# Altium PCB miniBackplane.PcbDoc (part 10 of 24) (continued)
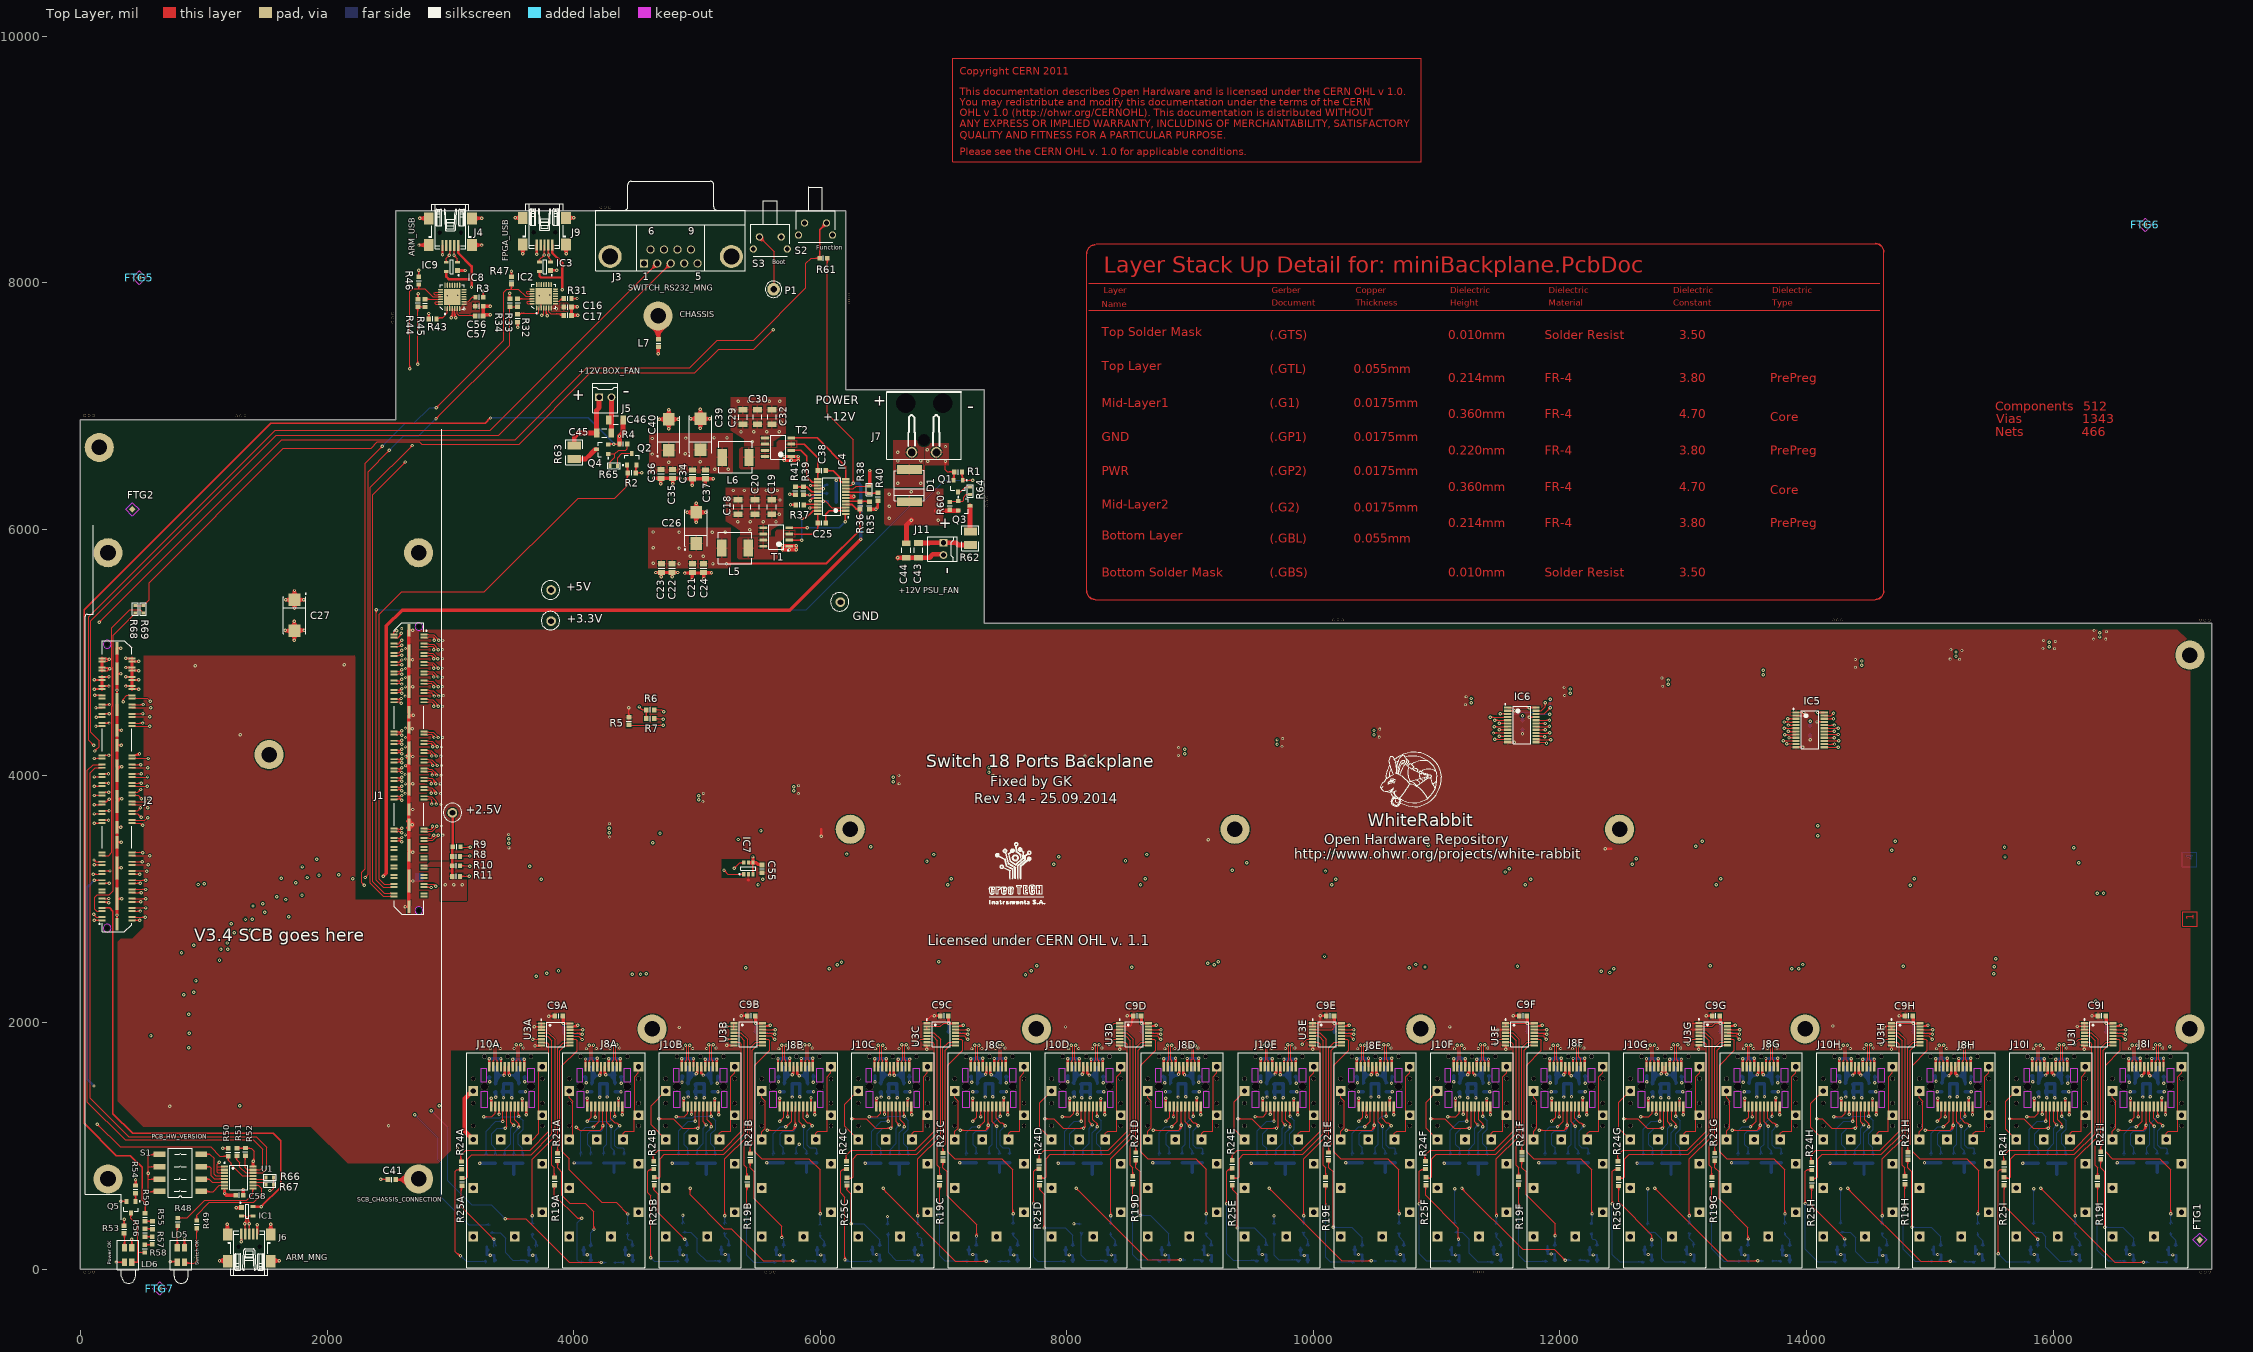
[diagram p0: Top Layer view]
## Nets (pads, with @x,y where several pads share a name; then routed paths per layer and width w, separated by ;. In a path a pad name is that pad's centre, name@x,y a point inside that pad or via, vN(x,y) a via of type N, cw(c..) or ccw(c..) an arc to the next point about the centre after c; other vN are vias at no path point) (continued)
ccw(c16266.43,1955.72) 16254.55,1955.72 ; 16254.55,1979.48 ccw(c16266.43,1979.48) 16258.03,1971.08 cw(c16266.43,1979.48) 16254.55,1979.48 ; 16254.55,1979.48 cw(c16242.67,1979.48) 16251.07,1971.08 ccw(c16242.67,1979.48) 16254.55,1979.48 ; 16254.55,1981.31 ccw(c16242.67,1981.31) 16251.07,1989.71 cw(c16242.67,1981.31) 16254.55,1981.31 ; 16254.55,1981.31 cw(c16266.43,1981.31) 16258.03,1989.71 ccw(c16266.43,1981.31) 16254.55,1981.31 ; J2.95@187.01,4953.79 cw(c187.01,4899.61) 225.32,4937.92 ccw(c187.01,4899.61) J2.95@187.01,4953.79 ; J2.91@191.42,4878.79 cw(c191.42,4825.28) 229.26,4863.12 ccw(c191.42,4825.28) J2.91@191.42,4878.79 ; 206.02,4953.79 cw(c206.02,4918.62) 230.89,4943.49 ccw(c206.02,4918.62) 206.02,4953.79 ; 210.43,4878.79 cw(c210.43,4844.29) 234.83,4868.69 ccw(c210.43,4844.29) 210.43,4878.79 ; 568.9,629 ccw(c568.9,676.14) 602.23,642.81 cw(c568.9,676.14) 568.9,629 ; 568.9,729 ccw(c568.9,776.14) 602.23,742.81 cw(c568.9,776.14) 568.9,729 ; 568.9,829 ccw(c568.9,876.14) 602.23,842.81 cw(c568.9,876.14) 568.9,829 ; 568.9,929 ccw(c568.9,976.14) 602.23,942.81 cw(c568.9,976.14) 568.9,929 ; 573.73,629 cw(c573.73,588.69) 602.23,617.19 ccw(c573.73,588.69) 573.73,629 ; 573.73,729 cw(c573.73,688.69) 602.23,717.19 ccw(c573.73,688.69) 573.73,729 ; 573.73,829 cw(c573.73,788.69) 602.23,817.19 ccw(c573.73,788.69) 573.73,829 ; 573.73,929 cw(c573.73,888.69) 602.23,917.19 ccw(c573.73,888.69) 573.73,929 ; 587.91,629 ccw(c587.91,657.13) 607.8,637.24 cw(c587.91,657.13) 587.91,629 ; 587.91,729 ccw(c587.91,757.13) 607.8,737.24 cw(c587.91,757.13) 587.91,729 ; 587.91,829 ccw(c587.91,857.13) 607.8,837.24 cw(c587.91,857.13) 587.91,829 ; 587.91,929 ccw(c587.91,957.13) 607.8,937.24 cw(c587.91,957.13) 587.91,929 ; 592.74,629 cw(c592.74,607.7) 607.8,622.76 ccw(c592.74,607.7) 592.74,629 ; 592.74,729 cw(c592.74,707.7) 607.8,722.76 ccw(c592.74,707.7) 592.74,729 ; 592.74,829 cw(c592.74,807.7) 607.8,822.76 ccw(c592.74,807.7) 592.74,829 ; 592.74,929 cw(c592.74,907.7) 607.8,922.76 ccw(c592.74,907.7) 592.74,929 ; v1@837.04,237.04 cw(c818.96,218.96) 844.53,218.96 ccw(c818.96,218.96) v1@837.04,237.04 ; 844.53,221.51 cw(c866.49,221.51) 850.96,237.04 ccw(c866.49,221.51) 844.53,221.51 ; v1@2441.96,722.04 cw(c2453.93,710.07) 2453.93,727 ccw(c2453.93,710.07) v1@2441.96,722.04 ; v1@2441.96,735.96 ccw(c2463.59,757.59) 2463.59,727 cw(c2463.59,757.59) v1@2441.96,735.96 ; 2456.41,727 cw(c2456.41,687.89) 2484.06,715.54 ccw(c2456.41,687.89) 2456.41,727 ; 2461.31,727 ccw(c2461.31,759.17) 2484.06,736.42 cw(c2461.31,759.17) 2461.31,727 ; 2475.42,727 cw(c2475.42,706.9) 2489.63,721.11 ccw(c2475.42,706.9) 2475.42,727 ; R44.2@2727.22,7876.24 ccw(c2698.8,7904.67) 2739,7904.67 cw(c2698.8,7904.67) R44.2@2727.22,7876.24 ; R44.2@2732.79,7870.67 ccw(c2717.81,7885.66) 2739,7885.66 cw(c2717.81,7885.66) R44.2@2732.79,7870.67 ; 2739,7894.86 ccw(c2765.33,7894.86) 2746.71,7876.24 cw(c2765.33,7894.86) 2739,7894.86 ; R34.2@3471.74,7878.89 ccw(c3449.37,7901.25) 3481,7901.25 cw(c3449.37,7901.25) R34.2@3471.74,7878.89 ; v1@3481,7903.57 ccw(c3515.91,7903.57) 3491.22,7878.89 cw(c3515.91,7903.57) v1@3481,7903.57 ; R2.2@4493.95,6469.13 ccw(c4457.14,6505.94) 4509.2,6505.94 cw(c4457.14,6505.94) R2.2@4493.95,6469.13 ; R2.2@4499.52,6463.56 ccw(c4476.15,6486.93) 4509.2,6486.93 cw(c4476.15,6486.93) R2.2@4499.52,6463.56 ; Q2.3@4501.05,6508.47 cw(c4481.38,6488.8) 4509.2,6488.8 ccw(c4481.38,6488.8) Q2.3@4501.05,6508.47 ; 4509.2,6479.36 ccw(c4523.67,6479.36) 4513.44,6469.13 cw(c4523.67,6479.36) 4509.2,6479.36 ; 4509.2,6487.81 cw(c4538.41,6487.81) 4517.75,6508.47 ccw(c4538.41,6487.81) 4509.2,6487.81 ; IC4.7@6224.22,6278.73 cw(c6224.22,6217.9) 6267.24,6260.91 ccw(c6224.22,6217.9) IC4.7@6224.22,6278.73 ; 6243.23,6278.73 cw(c6243.23,6236.91) 6272.8,6266.48 ccw(c6243.23,6236.91) 6243.23,6278.73 ; 6262.24,6278.73 cw(c6262.24,6255.92) 6278.37,6272.05 ccw(c6262.24,6255.92) 6262.24,6278.73 ; 7048.12,6468.5 cw(c7048.12,6426.58) 7077.76,6456.22 ccw(c7048.12,6426.58) 7048.12,6468.5 ; 7060.36,6468.5 ccw(c7060.36,6493.11) 7077.76,6475.71 cw(c7060.36,6493.11) 7060.36,6468.5 ; 7067.13,6468.5 cw(c7067.13,6445.59) 7083.33,6461.79 ccw(c7067.13,6445.59) 7067.13,6468.5 ; R1.2@7077.76,6452.29 cw(c7068.49,6443.02) 7081.6,6443.02 ccw(c7068.49,6443.02) R1.2@7077.76,6452.29 ; Q1.3@7081.6,6414.51 cw(c7135.03,6414.51) 7097.25,6452.29 ccw(c7135.03,6414.51) Q1.3@7081.6,6414.51 ; 7081.6,6433.52 cw(c7116.02,6433.52) 7091.68,6457.86 ccw(c7116.02,6433.52) 7081.6,6433.52 ; 8527.97,1988.84 cw(c8603.43,1988.84) 8550.07,2042.2 ccw(c8603.43,1988.84) 8527.97,1988.84 ; 8527.97,2007.85 cw(c8584.42,2007.85) 8544.5,2047.77 ccw(c8584.42,2007.85) 8527.97,2007.85 ; 8527.97,2026.86 cw(c8565.41,2026.86) 8538.93,2053.33 ccw(c8565.41,2026.86) 8527.97,2026.86 ; U3E.1@10018.15,1989.71 cw(c10032.27,1975.59) 10032.27,1995.56 ccw(c10032.27,1975.59) U3E.1@10018.15,1989.71 ; v1@11503,1933.99 cw(c11522.35,1914.64) 11522.35,1942.01 ccw(c11522.35,1914.64) v1@11503,1933.99 ; v1@11503,1947.91 ccw(c11517.25,1962.17) 11517.25,1942.01 cw(c11517.25,1962.17) v1@11503,1947.91 ; 13089.23,1940.95 ccw(c13089.23,1962.91) 13104.76,1947.39 cw(c13089.23,1962.91) 13089.23,1940.95 ; 13091.78,1993.19 ccw(c13091.78,2011.55) 13104.76,1998.57 cw(c13091.78,2011.55) 13091.78,1993.19
  Top Layer w15.75: v1@5920.7,6176.37 IC4.22@5979.65,6176.37 ; v1(5921.57,6355.5) IC4.15@5979.65,6355.5 ; IC4.6@6208,6253.14 6259.46,6253.14 v1(6274.2,6267.87) ; 6247.07,6258.8 cw(c6263.94,6229.59) v1@6272.67,6262.17 ; 6264.51,6251.3 ccw(c6259.1,6260.68) v1@6268.87,6265.33 ; IC6.12@11577.4,4272.17 v1(11630.83,4272.17) ; IC5.12@13914.92,4232.8 v1(13968.35,4232.8) ; 5935.82,6355.5 ccw(c5935.82,6341.25) 5925.74,6351.33 cw(c5935.82,6341.25) 5935.82,6355.5 ; 5935.82,6355.5 cw(c5935.82,6369.76) 5925.74,6359.68 ccw(c5935.82,6369.76) 5935.82,6355.5 ; 6264.12,6257.79 ccw(c6254.03,6267.87) 6268.29,6267.87 cw(c6254.03,6267.87) 6264.12,6257.79 ; 6264.12,6257.79 cw(c6274.2,6247.71) 6274.2,6261.97 ccw(c6274.2,6247.71) 6264.12,6257.79 ; 11616.57,4272.17 ccw(c11616.57,4286.42) 11626.65,4276.34 cw(c11616.57,4286.42) 11616.57,4272.17 ; 11616.57,4272.17 cw(c11616.57,4257.91) 11626.65,4267.99 ccw(c11616.57,4257.91) 11616.57,4272.17 ; 13954.09,4232.8 ccw(c13954.09,4247.05) 13964.17,4236.97 cw(c13954.09,4247.05) 13954.09,4232.8 ; 13954.09,4232.8 cw(c13954.09,4218.54) 13964.17,4228.62 ccw(c13954.09,4218.54) 13954.09,4232.8 ; v1@5918.37,6168.7 cw(c5936.89,6150.18) 5936.89,6176.37 ccw(c5936.89,6150.18) v1@5918.37,6168.7 ; IC4.6@6224.37,6253.14 ccw(c6224.37,6317.7) 6270.02,6272.05 cw(c6224.37,6317.7) IC4.6@6224.37,6253.14 ; 6262.39,6253.14 ccw(c6262.39,6279.68) 6281.16,6260.91 cw(c6262.39,6279.68) 6262.39,6253.14
  Top Layer w19.68: J2.102@295.94,3794.2 ccw(c293.09,3810.83) J2.102@306.86,3801.09 ; J2.97@296.44,2796.29 v1(296.44,2868.91) ; J2.98@296.44,3003.79 v1(334.5,3003.79) ; J2.99@296.44,3253.79 v1(332.53,3253.79) ; J2.100@296.44,3461.29 v1(330.05,3461.29) ; J2.101@296.44,3583.79 v1(327.89,3583.79) v1@330.71,3586.61 ; J2.102@296.44,3791.29 J2.102@296.44,3813.8 ; J2.102@296.44,3814.96 v1(334.65,3814.96) ; J2.103@296.44,4041.29 296.44,4072.03 299.21,4074.8 v1(334.65,4074.8) ; J2.104@296.44,4248.79 v1(331.47,4248.79) v1@334.65,4251.97 ; J2.105@296.44,4371.29 v1(333.43,4371.29) ; J2.106@296.44,4578.79 v1(296.44,4695.68) ; J2.107@296.44,4828.79 v1(328.69,4828.79) ; J2.108@296.44,5036.29 v1(325.91,5036.29) ; J6.5@1433.33,287.39 v1(1433.33,360.38) ; v1@2629.92,2937.01 v1(2632.91,2939.99) J1.108@2664.55,2939.99 ; J1.107@2664.55,3147.49 v1(2694.74,3147.49) ; J1.106@2664.55,3382.69 J1.106@2664.55,3397.49 ; J1.106@2664.56,3394.54 cw(c2664.64,3377.67) J1.106@2676.51,3389.65 ; J1.105@2664.55,3604.99 v1(2691.61,3604.99) ; J1.104@2664.55,3727.49 v1(2696,3727.49) ; J1.103@2664.55,3934.99 v1(2694.83,3934.99) ; J1.102@2664.55,4158.28 J1.102@2664.55,4184.99 ; J1.101@2664.55,4382.69 J1.101@2664.55,4392.49 ; J1.100@2664.55,4492.93 J1.100@2664.55,4514.99 ; J1.99@2664.55,4722.49 v1(2694.93,4722.49) ; J1.98@2664.55,4972.49 2664.55,4941.75 v1(2693.72,4941.75) v1@2696.85,4944.88 ; J1.97@2664.55,5179.99 v1(2694.02,5179.99) v1@2696.85,5177.17 ; J1.101@2665.01,4389.57 cw(c2667.62,4372.91) 2677.56,4386.54 ; J1.100@2664.99,4480.51 ccw(c2667.47,4497.19) 2677.51,4483.64 ; J1.106@2665.35,3381.89 v1(2696.85,3381.89) ; J1.102@2665.35,4157.48 v1(2696.85,4157.48) ; J1.101@2665.35,4381.89 v1(2692.91,4381.89) ; J1.100@2665.35,4492.13 v1(2700.79,4492.13) ; v1(2937.01,8227.99) J4.5@2937.01,8301.92 ; J10A.20@3316.46,1641.22 v1(3316.46,1705.17) ; J10A.1@3332.2,1318.39 v1(3332.2,1384.5) ; J10A.17@3410.94,1641.22 v1(3410.94,1705.68) ; J10A.14@3505.43,1641.22 v1(3505.43,1701.2) ; J10A.9@3584.17,1318.39 v1(3584.17,1381.46) ; J10A.11@3599.92,1641.22 v1(3599.92,1701.71) ; v1(3615.67,1250.96) J10A.10@3615.67,1318.39 ; v1(3687.01,1812.01) 3687.01,1811.02 U3A.8@3722.44,1811.02 ; v1(3700.87,8232.06) J9.5@3700.87,8305.92 ; v1(3799.67,2051.96) C9A.2@3848.17,2051.96 ; IC3.1@3813.94,8100.33 v1(3863.19,8100.33) ; J8A.20@4096.46,1641.22 v1(4096.46,1703.75) ; J8A.1@4112.2,1318.39 v1(4112.2,1384.43) ; J8A.17@4190.94,1641.22 v1(4190.94,1708.24) ; J8A.14@4285.43,1641.22 v1(4285.43,1706.2) ; J8A.9@4364.17,1318.39 v1(4364.17,1386.46) ; J8A.11@4379.92,1641.22 v1(4379.92,1706.71) ; v1(4395.67,1250.96) J8A.10@4395.67,1318.39 ; v1@4661.14,5645.95 v1(4665.08,5649.89) ; C22.2@4791.44,5642.08 cw(c4770.89,5620.65) v1@4800.58,5620.65 ; v1@4795.7,5616.69 ccw(c4782.3,5625.95) C22.2@4798.03,5630.16 ; 4797.11,5628.42 cw(c4781.84,5624.33) v1@4795.53,5616.43 ; v1@4797.3,5620.65 cw(c4826.98,5620.65) C22.2@4806.43,5642.08 ; v1@4797.3,5627.71 ccw(c4776.76,5627.71) C22.2@4791.28,5642.23 ; v1(4798.94,5614.46) C22.2@4798.94,5649.89 ; C22.2@4799.85,5630.16 ccw(c4815.57,5625.95) v1@4802.18,5616.69 ; v1@4800.58,5627.71 cw(c4821.12,5627.71) C22.2@4806.59,5642.23 ; 4800.77,5628.42 ccw(c4816.04,5624.33) v1@4802.35,5616.43 ; J10B.20@4877.91,1642.87 v1(4877.91,1706.83) ; J10B.1@4893.66,1320.04 v1(4893.66,1386.15) ; J10B.17@4972.4,1642.87 v1(4972.4,1707.34) ; J10B.14@5066.89,1642.87 v1(5066.89,1702.85) ; J10B.9@5145.63,1320.04 v1(5145.63,1383.12) ; J10B.11@5161.38,1642.87 v1(5161.38,1703.36) ; v1(5177.13,1252.61) J10B.10@5177.13,1320.04 ; v1(5241.14,1813.98) 5242.06,1813.06 U3B.8@5299.98,1813.06 ; v1(5361.13,2053.61) C9B.2@5409.63,2053.61 ; J8B.20@5657.91,1642.87 v1(5657.91,1705.4) ; J8B.1@5673.66,1320.04 v1(5673.66,1386.08) ; J8B.17@5752.4,1642.87 v1(5752.4,1709.89) ; v1(5754.2,6282.87) R41.2@5797.7,6282.87 ; v1(5759.2,6197.87) R37.2@5802.7,6197.87 ; J8B.14@5846.89,1642.87 v1(5846.89,1707.85) ; v1@5919.2,6357.87 v1(5921.57,6355.5) ; J8B.9@5925.63,1320.04 v1(5925.63,1388.12) ; J8B.11@5941.38,1642.87 v1(5941.38,1708.36) ; v1(5957.13,1252.61) J8B.10@5957.13,1320.04 ; v1(6009.04,3510.78) 6009.04,3565.9 ; J10C.20@6440.41,1641.22 6440.41,1704.33 v1(6442.91,1706.83) ; v1(6452.7,6161.38) 6468.23,6176.91 R40.1@6468.23,6228.63 ; J10C.1@6456.16,1318.39 v1@6456.16,1383.66 ; v1@6456.5,6162.4 cw(c6478.23,6168.22) 6458.75,6179.46 ; J10C.17@6534.9,1641.22 6534.9,1704.85 v1(6537.4,1707.35) ; J10C.14@6629.39,1641.22 6629.39,1700.36 v1(6631.89,1702.86) ; J10C.9@6708.13,1318.39 6708.13,1380.63 v1(6710.63,1383.13) ; J10C.11@6723.88,1641.22 6723.88,1700.87 v1(6726.38,1703.37) ; J10C.10@6739.63,1318.39 6739.63,1255.12 v1(6742.13,1252.62) ; v1(6864.98,1782.48) 6864.98,1803.62 ; v1(6926.13,2053.62) C9C.2@6974.63,2053.62 ; J8C.20@7222.91,1642.88 v1(7222.91,1705.41) ; J8C.1@7238.66,1320.05 v1(7238.66,1386.09) ; J8C.17@7317.4,1642.88 v1(7317.4,1709.9) ; J8C.14@7411.89,1642.88 v1(7411.89,1707.86) ; J8C.9@7490.63,1320.05 v1(7490.63,1388.13) ; J8C.11@7506.38,1642.88 v1(7506.38,1708.37) ; v1(7522.13,1252.62) J8C.10@7522.13,1320.05 ; J10D.20@8007.91,1642.88 v1(8007.91,1706.83) ; J10D.1@8023.66,1320.05 v1(8023.66,1386.16) ; J10D.17@8102.4,1642.88 v1(8102.4,1707.35) ; J10D.14@8196.89,1642.88 v1(8196.89,1702.86) ; J10D.9@8275.63,1320.05 v1(8275.63,1383.13) ; J10D.11@8291.38,1642.88 v1(8291.38,1703.37) ; v1(8307.13,1252.62) J10D.10@8307.13,1320.05 ; v1(8429.98,1782.48) 8429.98,1803.62 ; v1(8491.13,2053.62) C9D.2@8539.63,2053.62 ; J8D.20@8787.91,1642.88 v1(8787.91,1705.41) ; J8D.1@8803.66,1320.05 v1(8803.66,1386.09) ; J8D.17@8882.4,1642.88 v1(8882.4,1709.9) ; J8D.14@8976.89,1642.88 v1(8976.89,1707.86) ; J8D.9@9055.63,1320.05 v1(9055.63,1388.13) ; J8D.11@9071.38,1642.88 v1(9071.38,1708.37) ; v1(9087.13,1252.62) J8D.10@9087.13,1320.05 ; J10E.20@9572.91,1642.88 v1(9572.91,1706.83) ; J10E.1@9588.66,1320.05 v1(9588.66,1386.16) ; J10E.17@9667.4,1642.88 v1(9667.4,1707.35) ; J10E.14@9761.89,1642.88 v1(9761.89,1702.86) ; J10E.9@9840.63,1320.05 v1(9840.63,1383.13) ; J10E.11@9856.38,1642.88 v1(9856.38,1703.37) ; v1(9872.13,1252.62) J10E.10@9872.13,1320.05 ; v1(9994.98,1782.48) 9994.98,1803.62 ; v1(10056.13,2053.62) C9E.2@10104.63,2053.62 ; J8E.20@10352.91,1642.88 v1(10352.91,1705.41) ; J8E.1@10368.66,1320.05 v1(10368.66,1386.09) ; J8E.17@10447.4,1642.88 v1(10447.4,1709.9) ; J8E.14@10541.89,1642.88 v1(10541.89,1707.86) ; J8E.9@10620.63,1320.05 v1(10620.63,1388.13) ; J8E.11@10636.38,1642.88 v1(10636.38,1708.37) ; v1(10652.13,1252.62) J8E.10@10652.13,1320.05 ; J10F.20@11137.48,1642.88 v1(11137.48,1706.83) ; J10F.1@11153.23,1320.05 v1(11153.23,1386.16) ; J10F.17@11231.97,1642.88 v1(11231.97,1707.35) ; J10F.14@11326.46,1642.88 v1(11326.46,1702.86) ; J10F.9@11405.2,1320.05 v1(11405.2,1383.13) ; J10F.11@11420.94,1642.88 v1(11420.94,1703.37) ; v1(11436.69,1252.62) J10F.10@11436.69,1320.05 ; v1(11559.55,1782.48) 11559.55,1803.62 ; v1(11620.69,2053.62) C9F.2@11669.2,2053.62 ; J8F.20@11917.48,1642.88 v1(11917.48,1705.41) ; J8F.1@11933.23,1320.05 v1(11933.23,1386.09) ; J8F.17@12011.97,1642.88 v1(12011.97,1709.9) ; J8F.14@12106.46,1642.88 v1(12106.46,1707.86) ; J8F.9@12185.2,1320.05 v1(12185.2,1388.13) ; J8F.11@12200.94,1642.88 v1(12200.94,1708.37) ; v1(12216.69,1252.62) J8F.10@12216.69,1320.05 ; v1(12367.31,3408.42) 12418.49,3408.42 ; J10G.20@12702.48,1642.88 v1(12702.48,1706.83) ; J10G.1@12718.23,1320.05 v1(12718.23,1386.16) ; J10G.17@12796.97,1642.88 v1(12796.97,1707.35) ; J10G.14@12891.46,1642.88 v1(12891.46,1702.86) ; J10G.9@12970.2,1320.05 v1(12970.2,1383.13) ; J10G.11@12985.94,1642.88 v1(12985.94,1703.37) ; v1(13001.69,1252.62) J10G.10@13001.69,1320.05 ; v1(13124.55,1782.48) 13124.55,1803.62 ; v1(13185.69,2053.62) C9G.2@13234.2,2053.62 ; J8G.20@13482.48,1642.88 v1(13482.48,1705.41) ; J8G.1@13498.23,1320.05 v1(13498.23,1386.09) ; J8G.17@13576.97,1642.88 v1(13576.97,1709.9) ; J8G.14@13671.46,1642.88 v1(13671.46,1707.86) ; J8G.9@13750.2,1320.05 v1(13750.2,1388.13) ; J8G.11@13765.94,1642.88 v1(13765.94,1708.37) ; v1(13781.69,1252.62) J8G.10@13781.69,1320.05 ; J10H.20@14267.48,1642.88 v1(14267.48,1706.83) ; J10H.1@14283.23,1320.05 v1(14283.23,1386.16) ; J10H.17@14361.97,1642.88 v1(14361.97,1707.35) ; J10H.14@14456.46,1642.88 v1(14456.46,1702.86) ; J10H.9@14535.2,1320.05 v1(14535.2,1383.13) ; J10H.11@14550.94,1642.88 v1(14550.94,1703.37) ; v1(14566.69,1252.62) J10H.10@14566.69,1320.05 ; v1(14689.55,1782.48) 14689.55,1803.62 ; v1(14750.69,2053.62) C9H.2@14799.2,2053.62 ; J8H.20@15047.48,1642.88 v1(15047.48,1705.41) ; J8H.1@15063.23,1320.05 v1(15063.23,1386.09) ; J8H.17@15141.97,1642.88 v1(15141.97,1709.9) ; J8H.14@15236.46,1642.88 v1(15236.46,1707.86) ; J8H.9@15315.2,1320.05 v1(15315.2,1388.13) ; J8H.11@15330.94,1642.88 v1(15330.94,1708.37) ; v1(15346.69,1252.62) J8H.10@15346.69,1320.05 ; J10I.20@15832.48,1642.88 v1(15832.48,1706.83) ; J10I.1@15848.23,1320.05 v1(15848.23,1386.16) ; J10I.17@15926.97,1642.88 v1(15926.97,1707.35) ; J10I.14@16021.46,1642.88 v1(16021.46,1702.86) ; J10I.9@16100.2,1320.05 v1(16100.2,1383.13) ; J10I.11@16115.94,1642.88 v1(16115.94,1703.37) ; v1(16131.69,1252.62) J10I.10@16131.69,1320.05 ; v1(16254.55,1782.48) 16254.55,1803.62 ; v1(16315.69,2053.62) C9I.2@16364.2,2053.62 ; J8I.20@16612.48,1642.88 v1(16612.48,1705.41) ; J8I.1@16628.23,1320.05 v1(16628.23,1386.09) ; J8I.17@16706.97,1642.88 v1(16706.97,1709.9) ; J8I.14@16801.46,1642.88 v1(16801.46,1707.86) ; J8I.9@16880.2,1320.05 v1(16880.2,1388.13) ; J8I.11@16895.94,1642.88 v1(16895.94,1708.37) ; v1(16911.69,1252.62) J8I.10@16911.69,1320.05 ; v1(334.65,3814.96) ccw(c334.64,3777.19) 299.21,3790.27 cw(c334.64,3777.19) v1(334.65,3814.96) ; v1(334.65,4074.8) ccw(c334.64,4039.51) 299.39,4041.15 cw(c334.64,4039.51) v1(334.65,4074.8) ; v1(2692.91,4381.89) cw(c2692.91,4415.38) 2666.85,4394.35 ccw(c2692.91,4415.38) v1(2692.91,4381.89) ; v1(2696.85,3381.89) cw(c2696.85,3416.32) 2667.1,3398.98 ccw(c2696.85,3416.32) v1(2696.85,3381.89) ; v1(2696.85,4157.48) cw(c2696.85,4186.88) 2667.5,4185.16 ccw(c2696.85,4186.88) v1(2696.85,4157.48) ; v1(2700.79,4492.13) ccw(c2700.79,4448.8) 2666.86,4475.75 cw(c2700.79,4448.8) v1(2700.79,4492.13) ; 3826.79,2051.96 ccw(c3826.79,2073.35) 3841.91,2058.22 cw(c3826.79,2073.35) 3826.79,2051.96 ; 3826.79,2051.96 cw(c3826.79,2030.57) 3841.91,2045.7 ccw(c3826.79,2030.57) 3826.79,2051.96 ; 3837.7,8100.33 ccw(c3837.7,8076.57) 3820.9,8093.37 cw(c3837.7,8076.57) 3837.7,8100.33 ; 3837.7,8100.33 cw(c3837.7,8124.09) 3820.9,8107.29 ccw(c3837.7,8124.09) 3837.7,8100.33 ; C22.2@4791.28,5642.23 cw(c4772.8,5623.75) v1@4798.94,5623.75 ; C22.2@4791.28,5642.23 cw(c4772.8,5623.75) v1@4798.94,5623.75 ; v1@4795.53,5616.43 ccw(c4780.18,5625.28) C22.2@4797.3,5629.87 ; v1@4795.53,5616.43 ccw(c4780.18,5625.28) C22.2@4797.3,5629.87 ; v1@4795.53,5616.43 ccw(c4780.18,5625.28) C22.2@4797.3,5629.87 ; v1@4798.94,5623.75 cw(c4825.08,5623.75) C22.2@4806.59,5642.23 ; v1@4798.94,5623.75 cw(c4825.08,5623.75) C22.2@4806.59,5642.23 ; C22.2@4800.58,5629.87 ccw(c4817.69,5625.28) v1@4802.35,5616.43 ; C22.2@4800.58,5629.87 ccw(c4817.69,5625.28) v1@4802.35,5616.43 ; C22.2@4800.58,5629.87 ccw(c4817.69,5625.28) v1@4802.35,5616.43 ; 5388.24,2053.61 ccw(c5388.24,2075) 5403.37,2059.88 cw(c5388.24,2075) 5388.24,2053.61 ; 5388.24,2053.61 cw(c5388.24,2032.23) 5403.37,2047.35 ccw(c5388.24,2032.23) 5388.24,2053.61 ; 5783.69,6197.87 ccw(c5783.69,6216.88) 5797.13,6203.44 cw(c5783.69,6216.88) 5783.69,6197.87 ; 5783.69,6197.87 cw(c5783.69,6178.86) 5797.13,6192.31 ccw(c5783.69,6178.86) 5783.69,6197.87 ; 6953.24,2053.62 ccw(c6953.24,2075.01) 6968.37,2059.89 cw(c6953.24,2075.01) 6953.24,2053.62 ; 6953.24,2053.62 cw(c6953.24,2032.24) 6968.37,2047.36 ccw(c6953.24,2032.24) 6953.24,2053.62 ; 8518.24,2053.62 ccw(c8518.24,2075.01) 8533.37,2059.89 cw(c8518.24,2075.01) 8518.24,2053.62 ; 8518.24,2053.62 cw(c8518.24,2032.24) 8533.37,2047.36 ccw(c8518.24,2032.24) 8518.24,2053.62 ; 10083.24,2053.62 ccw(c10083.24,2075.01) 10098.37,2059.89 cw(c10083.24,2075.01) 10083.24,2053.62 ; 10083.24,2053.62 cw(c10083.24,2032.24) 10098.37,2047.36 ccw(c10083.24,2032.24) 10083.24,2053.62 ; 11647.81,2053.62 ccw(c11647.81,2075.01) 11662.93,2059.89 cw(c11647.81,2075.01) 11647.81,2053.62 ; 11647.81,2053.62 cw(c11647.81,2032.24) 11662.93,2047.36 ccw(c11647.81,2032.24) 11647.81,2053.62 ; 13212.81,2053.62 ccw(c13212.81,2075.01) 13227.93,2059.89 cw(c13212.81,2075.01) 13212.81,2053.62 ; 13212.81,2053.62 cw(c13212.81,2032.24) 13227.93,2047.36 ccw(c13212.81,2032.24) 13212.81,2053.62 ; 14777.81,2053.62 ccw(c14777.81,2075.01) 14792.93,2059.89 cw(c14777.81,2075.01) 14777.81,2053.62 ; 14777.81,2053.62 cw(c14777.81,2032.24) 14792.93,2047.36 ccw(c14777.81,2032.24) 14777.81,2053.62 ; 16342.81,2053.62 ccw(c16342.81,2075.01) 16357.93,2059.89 cw(c16342.81,2075.01) 16342.81,2053.62 ; 16342.81,2053.62 cw(c16342.81,2032.24) 16357.93,2047.36 ccw(c16342.81,2032.24) 16342.81,2053.62 ; 5774.61,6282.87 cw(c5774.61,6258.76) 5791.66,6275.81 ccw(c5774.61,6258.76) 5774.61,6282.87 ; 6440.41,1691.29 cw(c6458.45,1691.29) 6445.7,1704.05 ccw(c6458.45,1691.29) 6440.41,1691.29 ; v1@6449.92,6164.16 ccw(c6405.71,6208.37) 6468.23,6208.37 cw(c6405.71,6208.37) v1@6449.92,6164.16 ; 6456.16,1370.62 cw(c6474.2,1370.62) 6461.45,1383.37 ccw(c6474.2,1370.62) 6456.16,1370.62 ; R40.1@6461.4,6227.94 cw(c6444.92,6211.45) 6468.23,6211.45 ccw(c6444.92,6211.45) R40.1@6461.4,6227.94 ; 6534.9,1691.81 cw(c6552.94,1691.81) 6540.19,1704.56 ccw(c6552.94,1691.81) 6534.9,1691.81 ; 6629.39,1687.32 cw(c6647.43,1687.32) 6634.67,1700.07 ccw(c6647.43,1687.32) 6629.39,1687.32 ; 6708.13,1367.59 cw(c6726.17,1367.59) 6713.41,1380.34 ccw(c6726.17,1367.59) 6708.13,1367.59 ; 6723.88,1687.83 cw(c6741.92,1687.83) 6729.16,1700.59 ccw(c6741.92,1687.83) 6723.88,1687.83 ; 6739.63,1268.16 ccw(c6757.67,1268.16) 6744.91,1255.41 cw(c6757.67,1268.16) 6739.63,1268.16